# Allegro board 8880F5-0826_3.brd (continued)
## Routing (per net, layer and track width the routed paths; a pad name or vN(x,y) marks a point on that pad's centre or on a via; arc(x,y) is an arc through that point) (continued)
S2_ISP00+: length 59.2
  TOP w0.086: v1(355.08,245.88) 354.62,246.33 350.29,246.33 349.31,247.31 344.06,247.31 343.98,247.23 SITE2.73
  L30_SIGNAL w0.071: v1(355.08,245.88) 355.08,246.28 355.15,246.35 376.83,246.35 379.98,249.5 379.98,256.79 384.2,261 386.22,261 386.29,260.93 v1(386.29,259.59)
  BOTTOM w0.119: v1(386.29,259.59) UNK2K43.7
S2_ISP00-: length 59.2
  TOP w0.086: v1(355.08,247.02) 354.62,246.57 350.39,246.57 349.41,247.55 344.06,247.55 343.98,247.63 SITE2.74
  L30_SIGNAL w0.071: v1(386.29,262.63) 386.29,261.29 386.2,261.2 384.11,261.2 379.78,256.87 379.78,249.58 376.74,246.55 355.15,246.55 355.08,246.62 v1(355.08,247.02)
  BOTTOM w0.119: v1(386.29,262.63) UNK2K43.2
S2_ISP14+: length 222.7
  TOP w0.086: SITE2.112 330.23,257.78 330.15,257.86 330.15,266.59 331.48,267.92 331.48,269.45 v1(331.93,269.9)
  L32_SIGNAL w0.071: v1(331.93,269.9) 331.53,269.9 331.46,269.83 331.46,268.29 329.62,266.45 329.62,264.26 328.15,262.79 327.22,262.79 326.13,263.88 326.13,265.03 325.31,265.86 324.09,265.86 323.07,266.88 323.07,277.95 336.51,291.4 352.68,291.4 359.82,298.54 414.84,298.54 429.83,283.56 429.83,271.76 419.08,261.01 390.76,261.01 390.69,260.94 v1(390.69,257.11)
S2_ISP14-: length 221.1
  TOP w0.086: v1(330.79,269.9) 331.24,269.45 331.24,268.02 329.91,266.69 329.91,257.86 329.83,257.78 SITE2.113
  L32_SIGNAL w0.071: v1(390.69,265.11) 390.69,261.28 390.76,261.21 418.99,261.21 429.63,271.85 429.63,283.47 414.76,298.35 359.9,298.35 352.76,291.2 336.6,291.2 323.26,277.87 323.26,266.96 324.17,266.06 325.39,266.06 326.33,265.12 326.33,263.96 327.3,262.99 328.07,262.99 329.42,264.34 329.42,266.54 331.26,268.38 331.26,269.83 331.19,269.9 v1(330.79,269.9)
S2_ISP_1LOCK:
  vias: v1(309.91,245.39)
S2_M_DPS_F_001: length 45.2
  TOP w0.231: SITE2.104 333.43,263.21 ; 340.57,230.37 338.54,230.37 337.43,231.49 SITE2.39 ; 346.49,243.63 SITE2.64 ; SITE2.147 313.7,247.63 313.24,247.18 ; 330.63,230.54 SITE2.22
  TOP w0.381: v1(334.61,264.54) 334.61,264.39 333.43,263.21
  TOP w0.508: 330.63,230.54 330.38,230.28 330.38,229.17 330.17,228.96 v1(330.17,225.75) ; v1(311.44,246.66) 312.72,246.66 313.24,247.18 ; 340.57,230.37 343.63,227.31 v1(343.63,225.75) ; v1(351.22,242.64) 348.48,242.64 347.49,243.63 346.49,243.63
  vias: v1(309.4,246.66) v1(330.17,223.71) v1(334.61,266.58) v1(343.63,223.71) v1(353.27,242.64) v1(485.35,295.27) v1(485.35,293.37)
S2_PS9G_DCH001: length 3.7
  TOP w0.231: v1(329.63,229.63) 329.03,230.23 SITE2.18
S2_PS9G_DCH002: length 2.2
  TOP w0.231: SITE2.19 329.43,231.23 v1(329.63,231.03)
S2_PS9G_DCH003: length 2.2
  TOP w0.231: SITE2.24 331.43,231.23 v1(331.23,231.03)
S2_PS9G_DCH004: length 2.2
  TOP w0.231: v1(337.63,235.23) 337.83,235.03 SITE2.40
S2_PS9G_DCH005: length 2.2
  TOP w0.231: SITE2.45 344.23,236.03 v1(344.43,235.83)
S2_PS9G_DCH006: length 3.7
  TOP w0.231: v1(345.83,235.83) 345.23,236.43 SITE2.46
S2_PS9G_DCH007: length 5.3
  TOP w0.231: v1(347.22,235.83) 346.22,236.83 SITE2.47
S2_PS9G_DCH009: length 2.2
  TOP w0.231: v1(344.43,237.43) 344.23,237.63 SITE2.49
S2_PS9G_DCH010: length 3.7
  TOP w0.231: SITE2.50 345.23,238.03 v1(345.83,237.43)
S2_PS9G_DCH011: length 5.3
  TOP w0.231: v1(347.22,237.43) 346.22,238.43 SITE2.51
S2_PS9G_DCH014: length 3.7
  TOP w0.231: v1(345.83,239.03) 345.23,239.63 SITE2.54
S2_PS9G_DCH015: length 5.3
  TOP w0.231: v1(347.22,239.03) 346.22,240.03 SITE2.55
S2_PS9G_DCH022: length 5.3
  TOP w0.231: v1(347.22,245.03) 347.05,245.03 346.05,244.03 SITE2.65
S2_PS9G_DCH023: length 2.5
  TOP w0.231: v1(344.43,245.03) 344.43,244.83 344.03,244.43 SITE2.66
S2_PS9G_DCH027: length 3.9
  TOP w0.231: v1(345.83,245.03) 344.83,246.03 SITE2.70
S2_PS9G_DCH028: length 2.3
  TOP w0.231: v1(340.23,248.46) 340.6,248.83 SITE2.77
S2_PS9G_DCH029: length 2.2
  TOP w0.119: SITE2.118 v1(327.83,253.92)
S2_PS9G_DCH030: length 9.2
  TOP w0.231: SITE2.148 317.62,247.23 317.3,246.91 314.16,246.91 312.63,245.39 v1(310.91,245.39)
S2_PS9G_DCH035: length 5.3
  TOP w0.231: v1(314.43,246.23) 315.44,245.23 SITE2.153
S2_PS9G_DCH036: length 2.2
  TOP w0.231: SITE2.154 321.23,244.83 v1(321.43,245.03)
S2_PS9G_DCH037: length 2.2
  TOP w0.231: v1(317.23,244.63) 317.43,244.43 SITE2.155
S2_PS9G_DCH038: length 3.7
  TOP w0.231: SITE2.156 316.43,244.03 v1(315.83,244.63)
S2_PS9G_DCH039: length 5.3
  TOP w0.231: SITE2.157 315.44,243.63 v1(314.43,244.63)
S2_PS9G_DCH040: length 2.2
  TOP w0.231: SITE2.158 321.23,243.23 v1(321.43,243.43)
S2_RLY_001:
  vias: v1(410.52,289.12) v1(410.52,273.37)
S2_RLY_003:
  vias: v1(369.63,273.11) v1(396.55,241.11)
S2_RLY_005:
  vias: v1(396.55,273.11) v1(396.55,257.37)
S2_RLY_007:
  vias: v1(383.09,273.11)
S2_RLY_008:
  vias: v1(383.09,289.12) v1(410.27,257.37)
S2_RLY_016:
  vias: v1(369.38,257.11) v1(369.63,289.12)
S2_RLY_018:
  vias: v1(312.25,276.97)
S2_RLY_021:
  vias: v1(369.38,241.11) v1(396.55,289.12)
S2_RLY_022:
  vias: v1(369.38,224.6) v1(383.09,241.11)
S2_RLY_023:
  vias: v1(383.09,224.85)
S2_RLY_025:
  vias: v1(376.23,209.11) v1(396.55,225.11)
S2_RLY_026:
  vias: v1(389.7,209.36)
S2_RLY_030:
  vias: v1(410.52,241.11)
S2_RLY_043:
  vias: v1(383.09,257.11)
S2_SCAN_DCH008: length 2.2
  TOP w0.231: SITE2.48 340.43,237.23 v1(340.23,237.03)
S2_SCAN_DCH012: length 2.2
  TOP w0.231: SITE2.52 340.43,238.83 v1(340.23,238.63)
S2_SCAN_DCH013: length 2.2
  TOP w0.231: SITE2.53 344.23,239.23 v1(344.43,239.03)
S2_SCAN_DCH016: length 2.2
  TOP w0.231: SITE2.56 340.43,240.43 v1(340.23,240.23)
S2_SCAN_DCH017: length 2.2
  TOP w0.231: v1(344.43,240.63) 344.23,240.83 SITE2.57
S2_SCAN_DCH018: length 3.7
  TOP w0.231: v1(345.83,240.63) 345.23,241.23 SITE2.58
S2_SCAN_DCH019: length 5.3
  TOP w0.231: v1(347.22,240.63) 346.22,241.63 SITE2.59
S2_SCAN_DCH020: length 2.2
  TOP w0.231: SITE2.60 340.43,242.03 v1(340.23,241.83)
S2_SCAN_DCH021: length 2.2
  TOP w0.231: SITE2.61 344.23,242.43 v1(344.43,242.23)
S2_SCAN_DCH024: length 2.2
  TOP w0.231: v1(340.23,244.63) 340.43,244.83 SITE2.67
S2_SCAN_DCH025: length 3.7
  TOP w0.231: SITE2.68 339.43,245.23 v1(338.83,244.63)
S2_SCAN_DCH026: length 5.3
  TOP w0.231: v1(337.44,244.63) 338.44,245.63 SITE2.69
S2_SCAN_DCH031: length 3.7
  TOP w0.231: v1(322.83,247.43) 322.23,246.83 SITE2.149
S2_SCAN_DCH032: length 5.3
  TOP w0.231: v1(324.22,247.43) 323.22,246.43 SITE2.150
S2_SCAN_DCH033: length 2.2
  TOP w0.231: v1(317.23,246.23) 317.43,246.03 SITE2.151
S2_SCAN_DCH034: length 3.7
  TOP w0.231: v1(315.83,246.23) 316.43,245.63 SITE2.152
S2_SPI_1_CSN:
  vias: v1(474.99,230.78)
S2_SPI_1_SCK:
  vias: v1(480.07,218.59)
S2_SPI_1_SDI:
  vias: v1(456.19,217.17)
S2_SPI_1_SDO:
  vias: v1(455.94,209.55)
S2_SPI_2_CSN:
  vias: v1(475.87,217.23)
S2_SPI_2_SCK:
  vias: v1(479.97,204.98)
S2_SPI_2_SDI:
  vias: v1(451.62,217.17)
S2_SPI_2_SDO:
  vias: v1(451.87,209.55)
S2_SPI_11_SDI:
  vias: v1(457.19,217.17) v1(477.53,230.78)
S2_SPI_11_SDO:
  vias: v1(456.94,209.55) v1(482.61,218.59)
S2_SPI_22_SDI:
  vias: v1(452.62,217.17) v1(477.43,217.17)
S2_SPI_22_SDO:
  vias: v1(452.87,209.55) v1(482.51,204.98)
S2_SPI_CSN: length 2.2
  TOP w0.231: v1(339.23,231.03) 339.03,231.23 SITE2.43
S2_SPI_SCK: length 2.2
  TOP w0.231: v1(338.83,235.23) 338.63,235.03 SITE2.42
S2_SPI_SDI: length 3.7
  TOP w0.231: SITE2.44 339.43,236.03 v1(338.83,236.63)
S2_SPI_SDO: length 3.7
  TOP w0.231: v1(337.63,236.63) 338.23,236.03 SITE2.41
S2_XTAL_IN: length 2.5
  TOP w0.119: v1(331.63,258.51) 331.43,258.31 SITE2.109
S2_XTAL_OUT: length 3.7
  TOP w0.231: v1(331.63,259.63) 331.03,259.03 SITE2.110
S3_1AUX+:
  vias: v1(221.73,169.11)
S3_1AUX-:
  vias: v1(218.45,169.11)
S3_1TX_100DCH001+: length 178.1
  L32_SIGNAL w0.071: v1(276.97,144.59) 276.57,144.59 276.5,144.66 276.5,145.83 275.44,146.88 275.44,150.12 270.84,154.73 256.6,154.73 254.82,156.51 249.6,156.51 248.05,154.96 221.42,154.96 209.08,142.62 178.58,142.62 174.33,146.88 174.33,148.73 176.56,150.96 184.88,150.96 186.29,152.37 186.29,157.99 195.26,166.96 195.26,177.68 193.88,179.06 192.29,179.06 190.38,180.97 188.92,180.97 188.37,180.42 188.37,176.73 188.3,176.66 v1(186.95,176.66)
  BOTTOM w0.119: v1(186.95,176.66) UNK3K43.6
S3_1TX_100DCH001-: length 177.5
  L32_SIGNAL w0.071: v1(275.82,144.59) 276.23,144.59 276.3,144.66 276.3,145.75 275.24,146.8 275.24,150.04 270.76,154.53 256.52,154.53 254.73,156.31 249.68,156.31 248.13,154.76 221.5,154.76 209.16,142.43 178.5,142.43 174.13,146.79 174.13,148.81 176.48,151.16 184.8,151.16 186.09,152.46 186.09,158.07 195.06,167.04 195.06,177.59 193.8,178.86 192.21,178.86 190.3,180.77 189,180.77 188.57,180.34 188.57,176.73 188.64,176.66 v1(189.99,176.66)
  BOTTOM w0.119: v1(189.99,176.66) UNK3K43.3
S3_1TX_100DCH002+: length 53.6
  TOP w0.086: SITE3.75 263.98,188.03 264.06,188.11 277.07,188.11 v1(277.52,187.66)
  L28_SIGNAL w0.071: v1(276.97,158.18) 276.57,158.18 276.5,158.11 276.5,156.95 276.85,156.6 278.9,156.6 279.82,157.51 279.82,187.02 278.7,188.13 277.59,188.13 277.52,188.06 v1(277.52,187.66)
S3_1TX_100DCH002-: length 54.6
  TOP w0.086: v1(277.52,188.8) 277.07,188.35 264.06,188.35 263.98,188.43 SITE3.76
  L28_SIGNAL w0.071: v1(275.82,158.18) 276.23,158.18 276.3,158.11 276.3,156.87 276.77,156.4 278.98,156.4 280.01,157.43 280.01,187.1 278.79,188.33 277.59,188.33 277.52,188.4 v1(277.52,188.8)
S3_1TX_100DCH003+: length 110.1
  TOP w0.086: v1(275.08,190.14) 274.62,190.59 269.94,190.59 269.05,189.71 264.06,189.71 263.98,189.63 SITE3.79
  L32_SIGNAL w0.071: v1(250.81,129.35) 250.4,129.35 250.33,129.28 250.33,127.41 250.78,126.96 251.6,126.96 252.76,128.12 252.76,132.75 258.75,138.74 275.06,138.74 278.75,142.43 278.75,155.63 283.02,159.91 283.02,187.75 280.15,190.61 275.15,190.61 275.08,190.54 v1(275.08,190.14)
S3_1TX_100DCH003-: length 111.1
  TOP w0.086: SITE3.80 263.98,190.03 264.06,189.95 268.95,189.95 269.84,190.83 274.62,190.83 v1(275.08,191.28)
  L32_SIGNAL w0.071: v1(249.66,129.35) 250.06,129.35 250.14,129.28 250.14,127.33 250.7,126.76 251.68,126.76 252.96,128.04 252.96,132.67 258.83,138.54 275.14,138.54 278.94,142.35 278.94,155.55 283.22,159.83 283.22,187.83 280.24,190.81 275.15,190.81 275.08,190.88 v1(275.08,191.28)
S3_1TX_100DCH004+: length 94.4
  TOP w0.086: v1(277.52,192.08) 277.07,192.53 270.02,192.53 267.99,190.51 264.06,190.51 263.98,190.43 SITE3.81
  L28_SIGNAL w0.071: v1(250.81,142.94) 250.4,142.94 250.33,142.87 250.33,141.55 250.63,141.25 254.15,141.25 266.36,153.47 277.64,153.47 281.75,157.58 281.75,189.74 278.94,192.55 277.59,192.55 277.52,192.48 v1(277.52,192.08)
S3_1TX_100DCH004-: length 95.4
  TOP w0.086: v1(277.52,193.22) 277.07,192.77 269.92,192.77 267.9,190.75 264.06,190.75 263.98,190.83 SITE3.82
  L28_SIGNAL w0.071: v1(277.52,193.22) 277.52,192.82 277.59,192.75 279.02,192.75 281.95,189.82 281.95,157.5 277.72,153.27 266.45,153.27 254.23,141.05 250.55,141.05 250.14,141.46 250.14,142.87 250.06,142.94 v1(249.66,142.94)
S3_1TX_100DCH005+: length 103.6
  TOP w0.086: v1(275.08,193.77) 274.62,194.22 269.53,194.22 266.61,191.31 264.06,191.31 263.98,191.23 SITE3.83
  L32_SIGNAL w0.071: v1(263.76,132.4) 263.36,132.4 263.29,132.33 263.29,130.83 264.48,129.64 272.9,129.64 281.71,138.45 281.71,156.38 284.5,159.17 284.5,190.89 281.15,194.24 275.15,194.24 275.08,194.17 v1(275.08,193.77)
S3_1TX_100DCH005-: length 104.6
  TOP w0.086: v1(275.08,194.92) 274.62,194.46 269.43,194.46 266.51,191.55 264.06,191.55 263.98,191.63 SITE3.84
  L32_SIGNAL w0.071: v1(262.62,132.4) 263.02,132.4 263.09,132.33 263.09,130.75 264.4,129.44 272.98,129.44 281.91,138.37 281.91,156.29 284.7,159.09 284.7,190.97 281.23,194.44 275.15,194.44 275.08,194.51 v1(275.08,194.92)
S3_1TX_100DCH006+: length 88.8
  TOP w0.086: v1(277.52,196.03) 277.07,196.49 270.12,196.49 265.74,192.11 264.06,192.11 263.98,192.03 SITE3.85
  L28_SIGNAL w0.071: v1(277.52,196.03) 277.52,196.44 277.59,196.51 281.04,196.51 283.41,194.14 283.41,157.47 281.58,155.63 281.58,154.88 271.19,144.5 263.64,144.5 263.29,144.85 263.29,145.91 263.36,145.99 v1(263.76,145.99)
S3_1TX_100DCH006-: length 89.8
  TOP w0.086: v1(277.52,197.18) 277.07,196.73 270.02,196.73 265.64,192.35 264.06,192.35 263.98,192.43 SITE3.86
  L28_SIGNAL w0.071: v1(262.62,145.99) 263.02,145.99 263.09,145.91 263.09,144.77 263.56,144.3 271.28,144.3 281.78,154.8 281.78,155.55 283.61,157.39 283.61,194.22 281.13,196.7 277.59,196.7 277.52,196.78 v1(277.52,197.18)
S3_1TX_100DCH007+: length 135.6
  TOP w0.086: v1(275.08,198.17) 274.62,198.62 270.67,198.62 264.96,192.91 264.06,192.91 263.98,192.83 SITE3.87
  L32_SIGNAL w0.071: v1(178.5,176.13) 178.5,175.73 178.43,175.66 177.07,175.66 176.67,176.06 176.67,178.84 181.82,183.99 188.92,183.99 192.03,180.88 218.95,180.88 220.1,182.03 220.1,191.38 221.11,192.39 225.95,192.39 229.5,195.94 255.41,195.94 258.12,198.64 275.01,198.64 275.08,198.57 v1(275.08,198.17)
S3_1TX_100DCH007-: length 136.3
  TOP w0.086: SITE3.88 263.98,193.23 264.06,193.15 264.86,193.15 270.57,198.86 274.62,198.86 v1(275.08,199.31)
  L32_SIGNAL w0.071: v1(178.5,174.99) 178.5,175.39 178.43,175.46 176.99,175.46 176.47,175.98 176.47,178.92 181.74,184.19 189,184.19 192.11,181.08 218.87,181.08 219.91,182.11 219.91,191.46 221.03,192.59 225.87,192.59 229.42,196.14 255.33,196.14 258.03,198.84 275.01,198.84 275.08,198.91 v1(275.08,199.31)
S3_2AUX+:
  vias: v1(192.78,132.33) v1(192.78,131.06) v1(220.73,169.11) v1(220.73,167.84)
S3_2AUX-:
  vias: v1(189.24,131.06) v1(190.24,132.33) v1(219.45,169.11) v1(219.45,167.84)
S3_2TX_100DCH001+: length 143.3
  TOP w0.086: v1(266.32,208.6) 265.87,208.15 265.87,205.63 265.31,205.07 265.31,202.18 263.95,200.83 261.74,200.83 259.35,198.44 259.35,197.86 259.43,197.78 SITE3.89
  L30_SIGNAL w0.071: v1(164.91,176.13) 164.91,175.73 164.84,175.66 162.96,175.66 161.82,176.8 161.82,181.41 165.4,184.99 211.35,184.99 215.11,188.76 223.1,188.76 223.96,187.89 226.58,187.89 229.16,190.47 231.15,190.47 236.46,195.78 255.64,195.78 265.85,205.99 265.85,208.53 265.92,208.6 v1(266.32,208.6)
S3_2TX_100DCH001-: length 143.6
  TOP w0.086: v1(265.18,208.6) 265.63,208.15 265.63,205.73 265.07,205.17 265.07,202.28 263.85,201.07 261.64,201.07 259.11,198.54 259.11,197.86 259.03,197.78 SITE3.90
  L30_SIGNAL w0.071: v1(164.91,174.99) 164.91,175.39 164.84,175.46 162.88,175.46 161.62,176.72 161.62,181.49 165.32,185.19 211.26,185.19 215.03,188.96 223.18,188.96 224.05,188.09 226.5,188.09 229.07,190.67 231.07,190.67 236.38,195.98 255.55,195.98 265.65,206.07 265.65,208.53 265.58,208.6 v1(265.18,208.6)
S3_2TX_100DCH002+: length 92.9
  TOP w0.086: SITE3.91 258.63,197.78 258.55,197.86 258.55,199 261.27,201.72 263.16,201.72 264.22,202.77 264.22,205.88 v1(264.67,206.34)
  L32_SIGNAL w0.071: v1(195.26,217.02) 195.26,216.62 195.33,216.55 196.05,216.55 196.78,217.28 196.78,217.97 198.49,219.68 236.85,219.68 242.42,214.11 257.88,214.11 259.83,212.16 261.75,212.16 264.2,209.71 264.2,206.41 264.27,206.34 v1(264.67,206.34)
S3_2TX_100DCH002-: length 92.6
  TOP w0.086: v1(263.52,206.34) 263.98,205.88 263.98,202.87 263.07,201.96 261.17,201.96 258.31,199.1 258.31,197.86 258.23,197.78 SITE3.92
  L32_SIGNAL w0.071: v1(263.52,206.34) 263.93,206.34 264,206.41 264,209.63 261.67,211.96 259.74,211.96 257.79,213.91 242.34,213.91 236.77,219.48 198.57,219.48 196.98,217.89 196.98,217.2 196.14,216.35 195.33,216.35 195.26,216.28 v1(195.26,215.88)
S3_2TX_100DCH003+: length 128.7
  TOP w0.086: SITE3.93 257.83,197.78 257.75,197.86 257.75,199.44 262.61,204.3 262.61,208.15 v1(263.07,208.6)
  L30_SIGNAL w0.071: v1(181.67,217.02) 181.67,216.62 181.75,216.55 183.22,216.55 184.26,217.6 190.18,217.6 199.24,226.66 203.6,226.66 214.55,237.62 224.09,237.62 224.75,236.96 228.18,236.96 230.11,238.89 231.63,238.89 236.5,234.02 253.98,234.02 261.14,226.86 261.14,215.42 262.59,213.97 262.59,208.68 262.66,208.6 v1(263.07,208.6)
S3_2TX_100DCH003-: length 128.3
  TOP w0.086: SITE3.94 257.43,197.78 257.51,197.86 257.51,199.54 262.37,204.4 262.37,208.15 v1(261.92,208.6)
  L30_SIGNAL w0.071: v1(181.67,215.88) 181.67,216.28 181.75,216.35 183.3,216.35 184.34,217.4 190.26,217.4 199.33,226.47 203.68,226.47 214.63,237.42 224.01,237.42 224.67,236.76 228.26,236.76 230.2,238.7 231.54,238.7 236.41,233.82 253.9,233.82 260.94,226.78 260.94,215.34 262.39,213.89 262.39,208.68 262.32,208.6 v1(261.92,208.6)
S3_2TX_100DCH004+: length 69.8
  TOP w0.086: v1(261.36,207.09) 260.9,206.64 260.9,203.67 256.95,199.72 256.95,197.86 257.03,197.78 SITE3.95
  L32_SIGNAL w0.071: v1(212.03,217.02) 212.03,216.62 212.1,216.55 215.78,216.55 217.99,218.76 236.46,218.76 241.93,213.29 257.22,213.29 258.53,211.97 258.53,211.54 260.88,209.19 260.88,207.16 260.96,207.09 v1(261.36,207.09)
S3_2TX_100DCH004-: length 69.4
  TOP w0.086: v1(260.21,207.09) 260.67,206.64 260.67,203.77 256.71,199.82 256.71,197.86 256.63,197.78 SITE3.96
  L32_SIGNAL w0.071: v1(212.03,215.88) 212.03,216.28 212.1,216.35 215.86,216.35 218.07,218.56 236.38,218.56 241.85,213.09 257.14,213.09 258.33,211.89 258.33,211.45 260.69,209.1 260.69,207.16 260.62,207.09 v1(260.21,207.09)
S3_2TX_100DCH005+: length 105.7
  TOP w0.086: v1(258.99,208.83) 258.54,208.38 258.54,204.15 255.75,201.37 255.75,197.86 255.83,197.78 SITE3.98
  L30_SIGNAL w0.071: v1(258.99,208.83) 258.59,208.83 258.52,208.9 258.52,227.32 253.08,232.76 234.84,232.76 232.62,234.97 229.66,234.97 227.52,232.83 225.69,232.83 223.29,230.44 223.29,228.02 220.54,225.27 208.48,225.27 199.77,216.55 198.51,216.55 198.44,216.62 v1(198.44,217.02)
S3_2TX_100DCH005-: length 105.4
  TOP w0.086: SITE3.99 255.43,197.78 255.51,197.86 255.51,201.47 258.3,204.25 258.3,208.38 v1(257.84,208.83)
  L30_SIGNAL w0.071: v1(198.44,215.88) 198.44,216.28 198.51,216.35 199.85,216.35 208.57,225.07 220.62,225.07 223.49,227.94 223.49,230.35 225.77,232.63 227.6,232.63 229.74,234.78 232.54,234.78 234.75,232.56 252.99,232.56 258.32,227.24 258.32,208.9 258.25,208.83 v1(257.84,208.83)
S3_2TX_100DCH006+: length 197.1
  TOP w0.086: SITE3.100 255.03,197.78 254.95,197.86 254.95,201.59 257.04,203.68 257.04,208.51 256.65,208.9 256.65,209.99 v1(257.1,210.44)
  L30_SIGNAL w0.071: v1(195.26,203.56) 195.26,203.16 195.33,203.09 196.28,203.09 197.04,202.33 197.04,198.38 192.95,194.29 164.15,194.29 157.57,200.87 157.57,206.94 164.65,214.02 203.5,214.02 212.51,223.04 219.91,223.04 225.62,228.75 227.71,228.75 229.91,230.95 236.48,230.95 238.97,228.46 250.92,228.46 252.73,226.65 252.73,215.32 256.63,211.42 256.63,210.51 256.7,210.44 v1(257.1,210.44)
S3_2TX_100DCH006-: length 195.5
  TOP w0.086: SITE3.101 254.63,197.78 254.71,197.86 254.71,201.69 256.8,203.78 256.8,208.41 256.41,208.8 256.41,209.99 v1(255.96,210.44)
  L30_SIGNAL w0.071: v1(255.96,210.44) 256.36,210.44 256.43,210.51 256.43,211.34 252.53,215.24 252.53,226.57 250.84,228.26 238.89,228.26 236.4,230.75 229.99,230.75 227.8,228.55 225.71,228.55 219.99,222.84 212.6,222.84 203.58,213.82 164.73,213.82 157.77,206.86 157.77,200.95 164.23,194.49 192.87,194.49 196.84,198.47 196.84,202.25 196.2,202.89 195.33,202.89 195.26,202.82 v1(195.26,202.42)
S3_2TX_100DCH007+: length 102.4
  TOP w0.086: SITE3.102 254.23,197.78 254.15,197.86 254.15,201.95 255.98,203.78 255.98,208.13 254.78,209.33 v1(254.78,209.97)
  L30_SIGNAL w0.071: v1(254.78,209.97) 254.5,209.69 254.4,209.69 247.56,216.53 243.41,216.53 242.37,217.57 236.29,217.57 234.41,219.45 224.12,219.45 222.68,220.88 212.59,220.88 204.68,212.97 190.21,212.97 185.51,208.27 185.51,205.54 183.06,203.09 181.75,203.09 181.67,203.16 v1(181.67,203.56)
S3_2TX_100DCH007-: length 102
  TOP w0.086: v1(253.98,209.17) 254.61,209.17 255.74,208.03 255.74,203.88 253.91,202.05 253.91,197.86 253.83,197.78 SITE3.103
  L30_SIGNAL w0.071: v1(181.67,202.42) 181.67,202.82 181.75,202.89 183.14,202.89 185.71,205.46 185.71,208.19 190.29,212.77 204.77,212.77 212.68,220.68 222.6,220.68 224.03,219.25 234.33,219.25 236.21,217.37 242.29,217.37 243.33,216.33 247.48,216.33 254.26,209.55 254.26,209.45 v1(253.98,209.17)
S3_3TX_100DCH002+: length 96.7
  TOP w0.086: SITE3.114 249.43,197.78 249.35,197.86 249.35,207.66 v1(249.8,208.11)
  L30_SIGNAL w0.071: v1(181.67,189.59) 181.67,189.19 181.6,189.12 180.78,189.12 180.13,189.76 180.13,190.82 180.92,191.6 213.18,191.6 222.58,200.99 226.42,200.99 228.74,198.68 244.21,198.68 249.33,203.8 249.33,208.04 249.4,208.11 v1(249.8,208.11)
S3_3TX_100DCH002-: length 97.1
  TOP w0.086: v1(248.66,208.11) 249.11,207.66 249.11,197.86 249.03,197.78 SITE3.115
  L30_SIGNAL w0.071: v1(181.67,188.45) 181.67,188.85 181.6,188.92 180.69,188.92 179.94,189.68 179.94,190.9 180.83,191.8 213.1,191.8 222.5,201.19 226.51,201.19 228.82,198.88 244.13,198.88 249.13,203.88 249.13,208.04 249.06,208.11 v1(248.66,208.11)
S3_3TX_100DCH003+: length 101.6
  TOP w0.086: SITE3.116 248.63,197.78 248.55,197.86 248.55,206.82 246.96,208.41 246.96,209.45 v1(247.41,209.9)
  L30_SIGNAL w0.071: v1(178.5,203.56) 178.5,203.16 178.57,203.09 179.59,203.09 180.14,202.54 180.14,200.8 180.8,200.14 184.42,200.14 188,203.72 188,208.04 192.12,212.17 210.63,212.17 218.26,219.8 221.88,219.8 223.26,218.42 233.26,218.42 235.19,216.5 241.42,216.5 246.94,210.98 246.94,209.97 247.01,209.9 v1(247.41,209.9)
S3_3TX_100DCH003-: length 101.3
  TOP w0.086: SITE3.117 248.23,197.78 248.31,197.86 248.31,206.72 246.72,208.31 246.72,209.45 v1(246.26,209.9)
  L30_SIGNAL w0.071: v1(178.5,202.42) 178.5,202.82 178.57,202.89 179.51,202.89 179.94,202.46 179.94,200.72 180.71,199.94 184.5,199.94 188.19,203.64 188.19,207.96 192.21,211.97 210.71,211.97 218.34,219.6 221.8,219.6 223.18,218.22 233.18,218.22 235.11,216.3 241.34,216.3 246.74,210.9 246.74,209.97 246.67,209.9 v1(246.26,209.9)
S3_3TX_100DCH004+: length 108.6
  TOP w0.086: v1(245.36,207.81) 244.91,207.36 244.91,206.21 246.95,204.17 246.95,197.86 247.03,197.78 SITE3.120
  L30_SIGNAL w0.071: v1(164.91,203.56) 164.91,203.16 164.98,203.09 165.77,203.09 170.63,198.23 184.87,198.23 195.24,208.59 220.61,208.59 223.38,211.36 223.38,213.07 225.62,215.31 240.41,215.31 244.89,210.83 244.89,207.89 244.96,207.81 v1(245.36,207.81)
S3_3TX_100DCH004-: length 108.2
  TOP w0.086: v1(244.22,207.81) 244.67,207.36 244.67,206.11 246.71,204.07 246.71,197.86 246.63,197.78 SITE3.121
  L30_SIGNAL w0.071: v1(244.22,207.81) 244.62,207.81 244.69,207.89 244.69,210.75 240.33,215.11 225.7,215.11 223.58,212.99 223.58,211.28 220.69,208.39 195.32,208.39 184.95,198.03 170.55,198.03 165.69,202.89 164.98,202.89 164.91,202.82 v1(164.91,202.42)
S3_3TX_100DCH005+: length 52.9
  TOP w0.086: v1(245.11,203.69) 244.65,203.24 244.65,202.03 246.15,200.53 246.15,197.86 246.23,197.78 SITE3.122
  L32_SIGNAL w0.071: v1(245.11,203.69) 244.7,203.69 244.63,203.76 244.63,205.69 243.3,207.03 243.3,209.39 239.56,213.12 226.66,213.12 225.5,211.96 225.5,211.19 217.4,203.09 212.1,203.09 212.03,203.16 v1(212.03,203.56)
S3_3TX_100DCH005-: length 52.6
  TOP w0.086: SITE3.123 245.83,197.78 245.91,197.86 245.91,200.44 244.42,201.93 244.42,203.24 v1(243.96,203.69)
  L32_SIGNAL w0.071: v1(212.03,202.42) 212.03,202.82 212.1,202.89 217.49,202.89 225.7,211.11 225.7,211.88 226.75,212.93 239.48,212.93 243.1,209.31 243.1,206.95 244.44,205.61 244.44,203.76 244.36,203.69 v1(243.96,203.69)
S3_3TX_100DCH006+: length 67.7
  TOP w0.086: v1(242.12,207.81) 241.66,207.36 241.66,206.13 242.87,204.93 242.87,202.13 245.35,199.65 245.35,197.86 245.43,197.78 SITE3.124
  L30_SIGNAL w0.071: v1(242.12,207.81) 241.71,207.81 241.64,207.89 241.64,209.71 237.64,213.71 226.84,213.71 225.62,212.48 225.62,211.33 215.51,201.22 201.73,201.22 199.86,203.09 198.51,203.09 198.44,203.16 v1(198.44,203.56)
S3_3TX_100DCH006-: length 67.3
  TOP w0.086: v1(240.97,207.81) 241.43,207.36 241.43,206.04 242.63,204.83 242.63,202.03 245.11,199.55 245.11,197.86 245.03,197.78 SITE3.125
  L30_SIGNAL w0.071: v1(198.44,202.42) 198.44,202.82 198.51,202.89 199.78,202.89 201.65,201.02 215.59,201.02 225.82,211.25 225.82,212.4 226.92,213.51 237.56,213.51 241.45,209.62 241.45,207.89 241.37,207.81 v1(240.97,207.81)
S3_3TX_100DCH007+: length 88.1
  TOP w0.086: v1(241.53,203.69) 241.08,203.24 241.08,202.2 244.55,198.73 244.55,197.86 244.63,197.78 SITE3.126
  L32_SIGNAL w0.071: v1(178.5,189.59) 178.5,189.19 178.57,189.12 179.67,189.12 180.03,189.48 180.03,191.5 182.98,194.45 210.18,194.45 226.51,210.77 238.09,210.77 239.97,208.9 239.97,206.45 241.06,205.37 241.06,203.76 241.13,203.69 v1(241.53,203.69)
S3_3TX_100DCH007-: length 87.8
  TOP w0.086: SITE3.127 244.23,197.78 244.31,197.86 244.31,198.63 240.84,202.1 240.84,203.24 v1(240.39,203.69)
  L32_SIGNAL w0.071: v1(240.39,203.69) 240.79,203.69 240.86,203.76 240.86,205.28 239.77,206.37 239.77,208.81 238.01,210.58 226.59,210.58 210.27,194.25 183.06,194.25 180.23,191.42 180.23,189.4 179.75,188.92 178.57,188.92 178.5,188.85 v1(178.5,188.45)
S3_4TX_100DCH001+: length 98.9
  TOP w0.086: v1(238.79,207.81) 238.34,207.36 238.34,206.89 239.3,205.93 239.3,202.62 243.35,198.57 243.35,197.86 243.43,197.78 SITE3.129
  L30_SIGNAL w0.071: v1(238.79,207.81) 238.39,207.81 238.32,207.89 238.32,209.36 237.42,210.25 227.59,210.25 210.02,192.69 170.05,192.69 166.48,189.12 164.98,189.12 164.91,189.19 v1(164.91,189.59)
S3_4TX_100DCH001-: length 98.6
  TOP w0.086: SITE3.130 243.03,197.78 243.11,197.86 243.11,198.47 239.06,202.52 239.06,205.83 238.1,206.79 238.1,207.36 v1(237.64,207.81)
  L30_SIGNAL w0.071: v1(237.64,207.81) 238.05,207.81 238.12,207.89 238.12,209.28 237.34,210.06 227.67,210.06 210.1,192.49 170.13,192.49 166.56,188.92 164.98,188.92 164.91,188.85 v1(164.91,188.45)
S3_4TX_100DCH002+: length 53
  TOP w0.086: v1(237.56,205.42) 237.11,204.97 237.11,203.7 242.55,198.26 242.55,197.86 242.63,197.78 SITE3.131
  L32_SIGNAL w0.071: v1(212.03,189.59) 212.03,189.19 212.1,189.12 213.46,189.12 214,189.66 214,196.3 227.67,209.97 234.03,209.97 237.09,206.92 237.09,205.49 237.16,205.42 v1(237.56,205.42)
S3_4TX_100DCH002-: length 52.7
  TOP w0.086: v1(236.42,205.42) 236.87,204.97 236.87,203.6 242.31,198.16 242.31,197.86 242.23,197.78 SITE3.132
  L32_SIGNAL w0.071: v1(236.42,205.42) 236.82,205.42 236.89,205.49 236.89,206.84 233.95,209.78 227.75,209.78 214.19,196.22 214.19,189.57 213.54,188.92 212.1,188.92 212.03,188.85 v1(212.03,188.45)
S3_4TX_100DCH003+: length 48.7
  TOP w0.086: SITE3.133 237.68,193.23 237.6,193.15 237.23,193.15 231.06,199.32 226.27,199.32 v1(225.81,199.77)
  L28_SIGNAL w0.071: v1(225.81,199.77) 225.81,199.37 225.74,199.3 209.6,199.3 199.42,189.12 198.51,189.12 198.44,189.19 v1(198.44,189.59)
S3_4TX_100DCH003-: length 48.7
  TOP w0.086: SITE3.134 237.68,192.83 237.6,192.91 237.13,192.91 230.96,199.08 226.27,199.08 v1(225.81,198.63)
  L28_SIGNAL w0.071: v1(225.81,198.63) 225.81,199.03 225.74,199.1 209.68,199.1 199.5,188.92 198.51,188.92 198.44,188.85 v1(198.44,188.45)
S3_4TX_100DCH004+: length 131.3
  TOP w0.086: SITE3.135 237.68,192.43 237.6,192.35 236.53,192.35 231.68,197.2 229.02,197.2 v1(228.57,197.65)
  L32_SIGNAL w0.071: v1(228.57,197.65) 228.57,197.25 228.49,197.18 219.52,197.18 215.96,193.62 215.96,188.71 213.54,186.29 169.49,186.29 162.66,179.46 162.66,160.47 164.35,158.78 178.9,158.78 180.18,160.06 180.18,161.78 179.77,162.2 178.57,162.2 178.5,162.27 v1(178.5,162.67)
S3_4TX_100DCH004-: length 130
  TOP w0.086: SITE3.136 237.68,192.03 237.6,192.11 236.43,192.11 231.58,196.96 229.02,196.96 v1(228.57,196.51)
  L32_SIGNAL w0.071: v1(228.57,196.51) 228.57,196.91 228.49,196.98 219.6,196.98 216.16,193.54 216.16,188.63 213.62,186.09 169.58,186.09 162.85,179.37 162.85,160.56 164.43,158.98 178.82,158.98 179.98,160.15 179.98,161.7 179.69,162 178.57,162 178.5,161.93 v1(178.5,161.52)
S3_4TX_100DCH005+: length 102.2
  TOP w0.086: SITE3.137 237.68,191.63 237.6,191.55 236.17,191.55 232.64,195.08 226.27,195.08 v1(225.81,195.53)
  L32_SIGNAL w0.071: v1(164.91,162.67) 164.91,162.27 164.98,162.2 166.1,162.2 166.52,162.61 166.52,177.87 173.85,185.2 214.23,185.2 216.81,187.79 216.81,192.32 219.55,195.06 225.74,195.06 225.81,195.13 v1(225.81,195.53)
S3_4TX_100DCH005-: length 102.2
  TOP w0.086: v1(225.81,194.39) 226.27,194.84 232.55,194.84 236.07,191.31 237.6,191.31 237.68,191.23 SITE3.138
  L32_SIGNAL w0.071: v1(164.91,161.52) 164.91,161.93 164.98,162 166.18,162 166.71,162.53 166.71,177.79 173.93,185 214.31,185 217.01,187.7 217.01,192.24 219.63,194.86 225.74,194.86 225.81,194.79 v1(225.81,194.39)
S3_4TX_100DCH006+: length 98.8
  TOP w0.086: v1(228.57,192.73) 229.02,192.28 232.03,192.28 233.96,190.35 237.6,190.35 237.68,190.43 SITE3.140
  L32_SIGNAL w0.071: v1(228.57,192.73) 228.57,192.33 228.49,192.26 227.53,192.26 226.92,191.65 226.92,184.24 224,181.32 224,161.58 213.47,151.06 190.21,151.06 185.87,146.71 180.55,146.71 180.19,147.08 180.19,148.03 179.74,148.48 178.57,148.48 178.5,148.55 v1(178.5,148.95)
S3_4TX_100DCH006-: length 98.8
  TOP w0.086: v1(228.57,191.59) 229.02,192.04 231.93,192.04 233.86,190.11 237.6,190.11 237.68,190.03 SITE3.141
  L32_SIGNAL w0.071: v1(178.5,147.81) 178.5,148.21 178.57,148.28 179.65,148.28 179.99,147.95 179.99,146.99 180.47,146.51 185.95,146.51 190.3,150.86 213.55,150.86 224.19,161.5 224.19,181.24 227.12,184.16 227.12,191.57 227.61,192.06 228.49,192.06 228.57,191.99 v1(228.57,191.59)
S3_4TX_100DCH007+: length 133
  TOP w0.086: v1(225.81,190.64) 226.27,190.19 232.4,190.19 233.04,189.55 237.6,189.55 237.68,189.63 SITE3.142
  L28_SIGNAL w0.071: v1(225.81,190.64) 225.81,190.24 225.89,190.16 226.48,190.16 226.79,190.47 226.79,200.15 225.71,201.23 184.74,201.23 161.44,177.93 161.44,150.23 163.19,148.48 164.84,148.48 164.91,148.55 v1(164.91,148.95)
S3_4TX_100DCH007-: length 134.3
  TOP w0.086: v1(225.81,189.49) 226.27,189.95 232.3,189.95 232.94,189.31 237.6,189.31 237.68,189.23 SITE3.143
  L28_SIGNAL w0.071: v1(225.81,189.49) 225.81,189.9 225.89,189.97 226.56,189.97 226.98,190.39 226.98,200.23 225.79,201.43 184.66,201.43 161.24,178.01 161.24,150.14 163.11,148.28 164.84,148.28 164.91,148.21 v1(164.91,147.81)
S3_AUX_100DCH002+:
  vias: v1(191.78,132.33)
S3_AUX_100DCH002-:
  vias: v1(189.24,132.33)
S3_AUXCH+: length 3.6
  TOP w0.203: SITE3.21 250.23,176.2 v2(250.6,176.57)
S3_AUXCH-: length 3.6
  TOP w0.203: SITE3.20 249.83,176.2 v2(249.46,176.57)
S3_AVDD11_RX: length 8.4
  TOP w0.231: SITE3.31 254.23,168.29 254.67,167.85
  TOP w0.508: v1(256.77,165.75) 254.67,167.85
  vias: v1(118.32,276.23) v1(118.32,274.32) v1(256.77,163.71)
S3_AVDD11_XTAL: length 8.8
  TOP w0.231: 252.87,201.45 252.87,201.11 253.03,200.95 SITE3.105
  TOP w0.381: 252.87,201.45 252.87,203.59 253.72,204.45 v1(253.72,204.54)
  vias: v1(93.77,276.23) v1(93.77,274.32) v1(253.72,206.58)
S3_AVDD18_RX: length 7.7
  TOP w0.231: 251.28,170.01 251.83,170.56 SITE3.25
  TOP w0.508: v1(251.06,165.75) 251.06,168.68 251.28,168.9 251.28,170.01
  vias: v1(128.06,276.23) v1(128.06,274.32) v1(251.06,163.71)
S3_DCH041: length 2.2
  TOP w0.231: v1(237.23,183.03) 237.43,182.83 SITE3.159
S3_DCH042: length 3.7
  TOP w0.231: SITE3.160 236.43,182.43 v1(235.83,183.03)
S3_DCH043: length 5.3
  TOP w0.231: v1(234.44,183.03) 235.44,182.03 SITE3.161
S3_DCH044: length 2.2
  TOP w0.231: SITE3.163 237.43,181.23 v1(237.23,181.03)
S3_DCH045: length 5.4
  TOP w0.231: SITE3.164 243.35,180.83 v1(244.35,179.83)
S3_DCH046: length 3.9
  TOP w0.231: v1(242.95,179.83) 242.35,180.43 SITE3.165
S3_DCH047: length 2.3
  TOP w0.231: SITE3.166 241.36,180.03 v1(241.56,179.83)
S3_DCH048:
  vias: v1(229.05,216.97)
S3_DCH049:
  vias: v1(229.05,211.67)
S3_DPS_F_001:
  vias: v1(112.05,249.13) v1(112.05,247.23) v1(190.24,131.06) v1(221.73,167.84)
S3_DPS_F_002: length 10.1
  TOP w0.231: SITE3.3 243.03,170.86 241.72,169.55 240.65,169.55
  TOP w0.508: 240.65,169.55 237.98,166.88 v1(237.98,165.75)
  vias: v1(111.55,292.74) v1(111.55,290.83) v1(236.32,162.9) v1(237.98,163.71)
S3_DPS_F_003: length 63.1
  TOP w0.231: SITE3.107 252.23,200.11 251.69,200.65 251.69,201.16 ; 267.84,185.53 266.94,186.43 SITE3.71 ; 232.83,188.18 233.08,188.43 SITE3.145 ; 265.2,182.93 264.9,183.23 SITE3.63 ; 234.63,181.63 SITE3.162 ; SITE3.17 248.63,169.5 249.28,168.85 ; 259.73,169.66 258.57,169.66 256.63,171.59 SITE3.37
  TOP w0.381: 251.69,201.16 251.69,204.28 v1(251.94,204.54)
  TOP w0.508: v1(262.36,165.75) 262.36,167.02 259.73,169.66 ; 267.84,185.53 269.46,183.91 v1(271.22,183.91) ; v1(249.28,165.75) 249.28,168.85 ; 234.63,181.63 234.37,181.63 232.59,183.41 v1(231.44,183.41) ; v1(271.22,181.37) 268.11,181.37 266.8,182.68 265.45,182.68 265.2,182.93 ; 232.83,188.18 232.58,187.93 v1(231.44,187.93)
  vias: v1(101.81,292.74) v1(101.81,290.83) v1(114.55,186.44) v1(229.4,187.93) v1(229.4,183.41) v1(249.28,163.71) v1(251.54,192.61) v1(251.94,206.58) v1(262.36,163.71) v1(273.27,183.91) v1(273.27,181.37)
S3_DPS_F_006: length 9.6
  TOP w0.231: SITE3.72 267.92,186.83 268.55,186.19
  TOP w0.508: v1(271.22,185.18) 269.56,185.18 268.55,186.19
  vias: v1(75.99,276.23) v1(75.99,274.32) v1(259,186.67) v1(273.27,185.18)
S3_DPS_F_007: length 19
  TOP w0.231: SITE3.97 256.23,200.71 259.65,204.13 v1(259.65,204.54) ; SITE3.78 264.15,189.23 264.37,189.01
  TOP w0.508: v1(271.22,189.5) 270.8,189.5 270.31,189.01 264.37,189.01
  vias: v1(75.99,292.74) v1(75.99,290.83) v1(259.65,206.58) v1(273.27,189.5)
S3_DPS_F_009: length 8.8
  TOP w0.231: 252.26,201.12 252.26,200.9 252.63,200.53 SITE3.106
  TOP w0.381: v1(252.83,204.54) 252.83,204.39 252.26,203.82 252.26,201.12
  vias: v1(93.77,292.74) v1(93.77,290.83) v1(252.83,206.58) v1(253.61,207.66)
S3_DPS_F_010: length 8.6
  TOP w0.231: 251.05,201.13 251.05,200.57 250.63,200.15 SITE3.111
  TOP w0.381: 251.05,201.13 v1(251.05,204.54)
  vias: v1(84.03,292.74) v1(84.03,290.83) v1(250.34,193.59) v1(251.05,206.58)
S3_DPS_F_011: length 17.6
  TOP w0.231: SITE3.139 234.87,190.83 232.01,193.69 v1(231.44,193.69) ; SITE3.119 247.43,197.79 247.64,198.01
  TOP w0.508: v1(247.57,204.54) 247.64,204.47 247.64,198.01
  vias: v1(66.25,292.74) v1(66.25,290.83) v1(229.4,193.69) v1(247.57,206.58)
S3_DPS_F_012: length 8
  TOP w0.231: 232.2,188.83 SITE3.144
  TOP w0.508: v1(231.44,189.2) 231.81,188.83 232.2,188.83
  vias: v1(66.25,276.23) v1(66.25,274.32) v1(229.4,189.2)
S3_DPS_F_013:
  vias: v1(89.78,163.72) v1(90.02,177.49) v1(96.27,171.81) v1(96.37,185.42) v1(97.53,197.36) v1(97.53,189.74) v1(98.81,171.81) v1(98.91,185.42) v1(101.35,171.81) v1(101.35,159.62) v1(101.45,185.42) v1(101.45,173.22) v1(103.89,159.62) v1(104.89,171.81) v1(104.99,185.42) v1(105.01,173.17) v1(107.18,249.19) v1(107.18,247.28) v1(122.38,197.41) v1(127.01,189.74) v1(127.01,182.12)
S3_ISP00+: length 125.7
  TOP w0.086: v1(275.08,185.88) 274.62,186.33 270.29,186.33 269.31,187.31 264.06,187.31 263.98,187.23 SITE3.73
  L30_SIGNAL w0.071: v1(186.95,178.86) 188.3,178.86 188.37,178.79 188.37,172.94 190.06,171.25 202.11,171.25 211.64,180.78 227.66,180.78 229.55,178.9 237.49,178.9 239.16,180.57 239.16,187.53 241.33,189.7 262.99,189.7 266.34,186.35 275.01,186.35 275.08,186.28 v1(275.08,185.88)
  BOTTOM w0.119: v1(186.95,178.86) UNK3K43.7
S3_ISP00-: length 125.3
  TOP w0.086: SITE3.74 263.98,187.63 264.06,187.55 269.41,187.55 270.39,186.57 274.62,186.57 v1(275.08,187.02)
  L30_SIGNAL w0.071: v1(189.99,178.86) 188.64,178.86 188.57,178.79 188.57,173.02 190.14,171.45 202.03,171.45 211.56,180.98 227.75,180.98 229.63,179.1 237.41,179.1 238.97,180.65 238.97,187.61 241.25,189.9 263.07,189.9 266.42,186.55 275.01,186.55 275.08,186.62 v1(275.08,187.02)
  BOTTOM w0.119: v1(189.99,178.86) UNK3K43.2
S3_ISP14+: length 193.8
  TOP w0.086: v1(251.93,209.9) 251.48,209.45 251.48,207.92 250.15,206.59 250.15,197.86 250.23,197.78 SITE3.112
  L32_SIGNAL w0.071: v1(251.93,209.9) 251.53,209.9 251.46,209.83 251.46,208.24 248.66,205.44 248.66,201.96 245.35,198.65 228.72,198.65 226.16,201.21 221.69,201.21 215.03,194.55 215.03,189.08 213.03,187.08 169.15,187.08 159.82,177.75 159.82,159.69 162.01,157.5 183.55,157.5 188.37,162.32 188.37,174.39 188.3,174.46 v1(184.47,174.46)
S3_ISP14-: length 194.4
  TOP w0.086: SITE3.113 249.83,197.78 249.91,197.86 249.91,206.69 251.24,208.02 251.24,209.45 v1(250.79,209.9)
  L32_SIGNAL w0.071: v1(192.47,174.46) 188.64,174.46 188.57,174.39 188.57,162.24 183.63,157.3 161.93,157.3 159.63,159.61 159.63,177.84 169.07,187.28 212.95,187.28 214.83,189.16 214.83,194.63 221.61,201.41 226.24,201.41 228.8,198.85 245.27,198.85 248.46,202.04 248.46,205.52 251.26,208.32 251.26,209.83 251.19,209.9 v1(250.79,209.9)
S3_ISP_1LOCK:
  vias: v1(229.91,185.39)
S3_M_DPS_F_001: length 45.2
  TOP w0.231: SITE3.147 233.7,187.63 233.24,187.18 ; SITE3.39 257.43,171.49 258.54,170.37 260.57,170.37 ; SITE3.104 253.43,203.21 ; 250.63,170.54 SITE3.22 ; 266.49,183.63 SITE3.64
  TOP w0.381: 253.43,203.21 254.61,204.39 v1(254.61,204.54)
  TOP w0.508: v1(271.22,182.64) 268.48,182.64 267.49,183.63 266.49,183.63 ; v1(250.17,165.75) 250.17,168.96 250.38,169.17 250.38,170.28 250.63,170.54 ; 260.57,170.37 263.63,167.31 v1(263.63,165.75) ; 233.24,187.18 232.72,186.66 v1(231.44,186.66)
  vias: v1(101.81,276.23) v1(101.81,274.32) v1(229.4,186.66) v1(250.17,163.71) v1(254.61,206.58) v1(263.63,163.71) v1(273.27,182.64)
S3_PS9G_DCH001: length 3.7
  TOP w0.231: SITE3.18 249.03,170.23 v1(249.63,169.63)
S3_PS9G_DCH002: length 2.2
  TOP w0.231: v1(249.63,171.03) 249.43,171.23 SITE3.19
S3_PS9G_DCH003: length 2.2
  TOP w0.231: SITE3.24 251.43,171.23 v1(251.23,171.03)
S3_PS9G_DCH004: length 2.2
  TOP w0.231: v1(257.63,175.23) 257.83,175.03 SITE3.40
S3_PS9G_DCH005: length 2.2
  TOP w0.231: v1(264.43,175.83) 264.23,176.03 SITE3.45
S3_PS9G_DCH006: length 3.7
  TOP w0.231: SITE3.46 265.23,176.43 v1(265.83,175.83)
S3_PS9G_DCH007: length 5.3
  TOP w0.231: SITE3.47 266.22,176.83 v1(267.23,175.83)
S3_PS9G_DCH009: length 2.2
  TOP w0.231: v1(264.43,177.43) 264.23,177.63 SITE3.49
S3_PS9G_DCH010: length 3.7
  TOP w0.231: v1(265.83,177.43) 265.23,178.03 SITE3.50
S3_PS9G_DCH011: length 5.3
  TOP w0.231: v1(267.23,177.43) 266.22,178.43 SITE3.51
S3_PS9G_DCH014: length 3.7
  TOP w0.231: v1(265.83,179.03) 265.23,179.63 SITE3.54
S3_PS9G_DCH015: length 5.3
  TOP w0.231: v1(267.23,179.03) 266.22,180.03 SITE3.55
S3_PS9G_DCH022: length 5.3
  TOP w0.231: v1(267.23,185.03) 267.05,185.03 266.05,184.03 SITE3.65
S3_PS9G_DCH023: length 2.5
  TOP w0.231: SITE3.66 264.03,184.43 264.43,184.83 v1(264.43,185.03)
S3_PS9G_DCH027: length 3.9
  TOP w0.231: v1(265.83,185.03) 264.83,186.03 SITE3.70
S3_PS9G_DCH028: length 2.3
  TOP w0.231: v1(260.23,188.46) 260.6,188.83 SITE3.77
S3_PS9G_DCH029: length 2.2
  TOP w0.119: SITE3.118 v1(247.83,193.92)
S3_PS9G_DCH030: length 9.2
  TOP w0.231: SITE3.148 237.62,187.23 237.3,186.91 234.16,186.91 232.63,185.39 v1(230.91,185.39)
S3_PS9G_DCH035: length 5.3
  TOP w0.231: v1(234.44,186.23) 235.44,185.23 SITE3.153
S3_PS9G_DCH036: length 2.2
  TOP w0.231: v1(241.43,185.03) 241.23,184.83 SITE3.154
S3_PS9G_DCH037: length 2.2
  TOP w0.231: v1(237.23,184.63) 237.43,184.43 SITE3.155
S3_PS9G_DCH038: length 3.7
  TOP w0.231: v1(235.83,184.63) 236.43,184.03 SITE3.156
S3_PS9G_DCH039: length 5.3
  TOP w0.231: v1(234.44,184.63) 235.44,183.63 SITE3.157
S3_PS9G_DCH040: length 2.2
  TOP w0.231: SITE3.158 241.23,183.23 v1(241.43,183.43)
S3_RLY_001:
  vias: v1(256.73,140.14) v1(282.9,155.38)
S3_RLY_003:
  vias: v1(167.7,182.06) v1(269.69,143.19)
S3_RLY_005:
  vias: v1(184.47,222.95) v1(201.23,222.95)
S3_RLY_007:
  vias: v1(184.47,209.49)
S3_RLY_008:
  vias: v1(167.7,209.49) v1(184.47,195.52)
S3_RLY_016:
  vias: v1(167.7,195.52) v1(201.23,209.49)
S3_RLY_018:
  vias: v1(232.25,216.97)
S3_RLY_021:
  vias: v1(167.7,168.6) v1(201.23,195.52)
S3_RLY_022:
  vias: v1(184.47,154.88) v1(201.49,155.13)
S3_RLY_023:
  vias: v1(167.7,141.67)
S3_RLY_025:
  vias: v1(201.49,182.06) v1(201.49,168.6)
S3_RLY_026:
  vias: v1(184.47,168.6)
S3_RLY_030:
  vias: v1(167.7,154.88)
S3_RLY_043:
  vias: v1(184.47,182.06)
S3_SCAN_DCH008: length 2.2
  TOP w0.231: v1(260.23,177.03) 260.43,177.23 SITE3.48
S3_SCAN_DCH012: length 2.2
  TOP w0.231: SITE3.52 260.43,178.83 v1(260.23,178.63)
S3_SCAN_DCH013: length 2.2
  TOP w0.231: SITE3.53 264.23,179.23 v1(264.43,179.03)
S3_SCAN_DCH016: length 2.2
  TOP w0.231: v1(260.23,180.23) 260.43,180.43 SITE3.56
S3_SCAN_DCH017: length 2.2
  TOP w0.231: v1(264.43,180.63) 264.23,180.83 SITE3.57
S3_SCAN_DCH018: length 3.7
  TOP w0.231: SITE3.58 265.23,181.23 v1(265.83,180.63)
S3_SCAN_DCH019: length 5.3
  TOP w0.231: v1(267.23,180.63) 266.22,181.63 SITE3.59
S3_SCAN_DCH020: length 2.2
  TOP w0.231: SITE3.60 260.43,182.03 v1(260.23,181.83)
S3_SCAN_DCH021: length 2.2
  TOP w0.231: v1(264.43,182.23) 264.23,182.43 SITE3.61
S3_SCAN_DCH024: length 2.2
  TOP w0.231: v1(260.23,184.63) 260.43,184.83 SITE3.67
S3_SCAN_DCH025: length 3.7
  TOP w0.231: SITE3.68 259.43,185.23 v1(258.83,184.63)
S3_SCAN_DCH026: length 5.3
  TOP w0.231: v1(257.44,184.63) 258.44,185.63 SITE3.69
S3_SCAN_DCH031: length 3.7
  TOP w0.231: v1(242.83,187.43) 242.23,186.83 SITE3.149
S3_SCAN_DCH032: length 5.3
  TOP w0.231: SITE3.150 243.22,186.43 v1(244.22,187.43)
S3_SCAN_DCH033: length 2.2
  TOP w0.231: v1(237.23,186.23) 237.43,186.03 SITE3.151
S3_SCAN_DCH034: length 3.7
  TOP w0.231: v1(235.83,186.23) 236.43,185.63 SITE3.152
S3_SPI_1_CSN:
  vias: v1(104.89,159.62)
S3_SPI_1_SCK:
  vias: v1(99.81,171.81)
S3_SPI_1_SDI:
  vias: v1(123.69,173.23)
S3_SPI_1_SDO:
  vias: v1(123.94,180.85)
S3_SPI_2_CSN:
  vias: v1(104.01,173.17)
S3_SPI_2_SCK:
  vias: v1(99.91,185.42)
S3_SPI_2_SDI:
  vias: v1(128.26,173.23)
S3_SPI_2_SDO:
  vias: v1(128.01,180.85)
S3_SPI_11_SDI:
  vias: v1(102.35,159.62) v1(122.69,173.23)
S3_SPI_11_SDO:
  vias: v1(97.27,171.81) v1(122.94,180.85)
S3_SPI_22_SDI:
  vias: v1(102.45,173.22) v1(127.26,173.23)
S3_SPI_22_SDO:
  vias: v1(97.37,185.42) v1(127.01,180.85)
S3_SPI_CSN: length 2.2
  TOP w0.231: SITE3.43 259.03,171.23 v1(259.23,171.03)
S3_SPI_SCK: length 2.2
  TOP w0.231: v1(258.83,175.23) 258.63,175.03 SITE3.42
S3_SPI_SDI: length 3.7
  TOP w0.231: SITE3.44 259.43,176.03 v1(258.83,176.63)
S3_SPI_SDO: length 3.7
  TOP w0.231: SITE3.41 258.23,176.03 v1(257.63,176.63)
S3_XTAL_IN: length 2.5
  TOP w0.119: v1(251.63,198.51) 251.43,198.31 SITE3.109
  vias: v1(226.85,211.67)
S3_XTAL_OUT: length 3.7
  TOP w0.231: SITE3.110 251.03,199.03 v1(251.63,199.63)
  vias: v1(226.85,216.97)
S4_1AUX+:
  vias: v1(301.73,169.11)
S4_1AUX-:
  vias: v1(298.45,169.11)
S4_1TX_100DCH001+: length 197.9
  L32_SIGNAL w0.071: v1(310.01,134.11) 310.01,135.47 309.93,135.54 304.75,135.54 302.23,133.01 302.23,126.46 305.99,122.7 318.84,122.7 320.2,124.06 337.42,124.06 338.71,125.35 344.21,125.35 346.42,123.14 386.78,123.14 387.86,122.06 393.43,122.06 397.71,126.34 420.96,126.34 427.94,133.32 427.94,166.69 421.5,173.14 421.5,174.36 421.43,174.43 v1(421.02,174.43)
  BOTTOM w0.119: v1(310.01,134.11) UNK4K43.6
S4_1TX_100DCH001-: length 198.8
  L32_SIGNAL w0.071: v1(310.01,137.16) 310.01,135.81 309.93,135.74 304.67,135.74 302.03,133.09 302.03,126.37 305.91,122.5 318.92,122.5 320.28,123.86 337.51,123.86 338.8,125.15 344.13,125.15 346.34,122.94 386.7,122.94 387.78,121.86 393.51,121.86 397.79,126.14 421.05,126.14 428.14,133.23 428.14,166.77 421.69,173.22 421.69,174.36 421.77,174.43 v1(422.17,174.43)
  BOTTOM w0.119: v1(310.01,137.16) UNK4K43.3
S4_1TX_100DCH002+: length 96.8
  TOP w0.086: v1(357.52,187.66) 357.07,188.11 344.06,188.11 343.98,188.03 SITE4.75
  L28_SIGNAL w0.071: v1(421.02,160.85) 421.43,160.85 421.5,160.92 421.5,162.5 420.64,163.36 420.64,170.74 410.5,180.87 365.65,180.87 358.39,188.13 357.59,188.13 357.52,188.06 v1(357.52,187.66)
S4_1TX_100DCH002-: length 97.2
  TOP w0.086: v1(357.52,188.8) 357.07,188.35 344.06,188.35 343.98,188.43 SITE4.76
  L28_SIGNAL w0.071: v1(357.52,188.8) 357.52,188.4 357.59,188.33 358.48,188.33 365.73,181.07 410.58,181.07 420.83,170.82 420.83,163.44 421.69,162.58 421.69,160.92 421.77,160.85 v1(422.17,160.85)
S4_1TX_100DCH003+: length 106.3
  TOP w0.086: v1(355.08,190.14) 354.62,190.59 349.94,190.59 349.05,189.71 344.06,189.71 343.98,189.63 SITE4.79
  L32_SIGNAL w0.071: v1(355.08,190.14) 355.08,190.54 355,190.61 354.57,190.61 354.38,190.43 354.38,189.68 355.03,189.03 355.88,189.03 357.31,190.47 359.61,190.47 361.1,188.98 361.1,159.99 365.83,155.26 373.46,155.26 375.06,156.86 390.54,156.86 393.45,153.95 405.86,153.95 408.54,156.63 408.54,157.6 408.47,157.67 v1(408.07,157.67)
S4_1TX_100DCH003-: length 107.3
  TOP w0.086: SITE4.80 343.98,190.03 344.06,189.95 348.95,189.95 349.84,190.83 354.62,190.83 v1(355.08,191.28)
  L32_SIGNAL w0.071: v1(355.08,191.28) 355.08,190.88 355,190.81 354.49,190.81 354.18,190.51 354.18,189.6 354.95,188.84 355.96,188.84 357.39,190.27 359.53,190.27 360.9,188.89 360.9,159.9 365.74,155.06 373.54,155.06 375.14,156.66 390.46,156.66 393.37,153.75 405.94,153.75 408.74,156.55 408.74,157.6 408.81,157.67 v1(409.21,157.67)
S4_1TX_100DCH004+: length 161.1
  TOP w0.086: SITE4.81 343.98,190.43 344.06,190.51 347.99,190.51 350.02,192.53 357.07,192.53 v1(357.52,192.08)
  L28_SIGNAL w0.071: v1(357.52,192.08) 357.52,192.48 357.59,192.55 359.89,192.55 360.43,193.09 365.53,193.09 366.4,193.96 368.49,193.96 369.29,193.16 376.95,193.16 383.34,199.55 424.03,199.55 430.98,192.6 430.98,157.52 423.32,149.86 412.63,149.86 408.54,145.77 408.54,144.15 408.47,144.08 v1(408.07,144.08)
S4_1TX_100DCH004-: length 161.4
  TOP w0.086: SITE4.82 343.98,190.83 344.06,190.75 347.89,190.75 349.92,192.77 357.07,192.77 v1(357.52,193.22)
  L28_SIGNAL w0.071: v1(357.52,193.22) 357.52,192.82 357.59,192.75 359.81,192.75 360.35,193.29 365.45,193.29 366.32,194.16 368.57,194.16 369.37,193.36 376.86,193.36 383.26,199.75 424.11,199.75 431.18,192.68 431.18,157.44 423.41,149.66 412.72,149.66 408.74,145.69 408.74,144.15 408.81,144.08 v1(409.21,144.08)
S4_1TX_100DCH005+: length 87.1
  TOP w0.086: SITE4.83 343.98,191.23 344.06,191.31 346.61,191.31 349.53,194.22 354.62,194.22 v1(355.08,193.77)
  L32_SIGNAL w0.071: v1(324.25,142.43) 324.65,142.43 324.72,142.36 324.72,141.23 325.23,140.73 327.96,140.73 330.33,143.1 330.33,145.94 339.47,155.08 339.47,164.92 348.77,174.23 348.77,192.55 350.47,194.24 355,194.24 355.08,194.17 v1(355.08,193.77)
S4_1TX_100DCH005-: length 86.8
  TOP w0.086: v1(355.08,194.92) 354.62,194.46 349.43,194.46 346.51,191.55 344.06,191.55 343.98,191.63 SITE4.84
  L32_SIGNAL w0.071: v1(355.08,194.92) 355.08,194.51 355,194.44 350.38,194.44 348.57,192.63 348.57,174.31 339.27,165 339.27,155.16 330.13,146.02 330.13,143.18 327.88,140.93 325.31,140.93 324.92,141.31 324.92,142.36 324.99,142.43 v1(325.39,142.43)
S4_1TX_100DCH006+: length 159.9
  TOP w0.086: v1(357.52,196.03) 357.07,196.49 350.12,196.49 345.74,192.11 344.06,192.11 343.98,192.03 SITE4.85
  L28_SIGNAL w0.071: v1(324.25,128.84) 324.65,128.84 324.72,128.77 324.72,127.65 323.67,126.6 319.88,126.6 314.5,131.98 314.5,147.89 296.84,165.55 296.84,180.23 297.64,181.03 302.25,181.03 303.25,182.03 303.25,184.49 309.53,190.77 313.57,190.77 323.27,200.47 332.78,200.47 334.57,198.68 350.17,198.68 351.91,196.95 356.45,196.95 356.89,196.51 357.45,196.51 357.52,196.44 v1(357.52,196.03)
S4_1TX_100DCH006-: length 160.9
  TOP w0.086: SITE4.86 343.98,192.43 344.06,192.35 345.64,192.35 350.02,196.73 357.07,196.73 v1(357.52,197.18)
  L28_SIGNAL w0.071: v1(325.39,128.84) 324.99,128.84 324.92,128.77 324.92,127.57 323.75,126.4 319.79,126.4 314.3,131.89 314.3,147.81 296.64,165.46 296.64,180.31 297.56,181.23 302.17,181.23 303.05,182.11 303.05,184.58 309.44,190.97 313.48,190.97 323.19,200.67 332.87,200.67 334.65,198.88 350.25,198.88 351.99,197.14 356.53,197.14 356.97,196.7 357.45,196.7 357.52,196.78 v1(357.52,197.18)
S4_1TX_100DCH007+: length 93.3
  TOP w0.086: v1(355.08,198.17) 354.62,198.62 350.67,198.62 344.96,192.91 344.06,192.91 343.98,192.83 SITE4.87
  L32_SIGNAL w0.071: v1(355.08,198.17) 355.08,198.57 355.15,198.64 363.14,198.64 364.38,199.89 374.28,199.89 375.26,198.9 401.41,198.9 407.54,205.03 407.54,221.9 408.09,222.45 409.37,222.45 409.81,222 409.81,220.48 409.74,220.41 v1(409.34,220.41)
S4_1TX_100DCH007-: length 93.6
  TOP w0.086: SITE4.88 343.98,193.23 344.06,193.15 344.86,193.15 350.57,198.86 354.62,198.86 v1(355.08,199.31)
  L32_SIGNAL w0.071: v1(410.48,220.41) 410.08,220.41 410.01,220.48 410.01,222.09 409.45,222.64 408.01,222.64 407.34,221.98 407.34,205.11 401.33,199.1 375.34,199.1 374.36,200.09 364.3,200.09 363.06,198.84 355.15,198.84 355.08,198.91 v1(355.08,199.31)
S4_2AUX+:
  vias: v1(300.22,132.08) v1(300.22,130.81) v1(300.73,169.11) v1(300.73,167.84)
S4_2AUX-:
  vias: v1(296.68,130.81) v1(297.68,132.08) v1(299.45,169.11) v1(299.45,167.84)
S4_2TX_100DCH001+: length 88.5
  TOP w0.086: v1(346.32,208.6) 345.87,208.15 345.87,205.63 345.31,205.07 345.31,202.18 343.95,200.83 341.74,200.83 339.35,198.44 339.35,197.86 339.43,197.78 SITE4.89
  L30_SIGNAL w0.071: v1(409.34,206.82) 409.74,206.82 409.81,206.89 409.81,208.47 408.59,209.69 407.05,209.69 404.95,207.6 365.85,207.6 361.62,211.82 347.52,211.82 345.85,210.15 345.85,208.68 345.92,208.6 v1(346.32,208.6)
S4_2TX_100DCH001-: length 89.2
  TOP w0.086: v1(345.18,208.6) 345.63,208.15 345.63,205.73 345.07,205.17 345.07,202.28 343.85,201.07 341.64,201.07 339.11,198.54 339.11,197.86 339.03,197.78 SITE4.90
  L30_SIGNAL w0.071: v1(410.48,206.82) 410.08,206.82 410.01,206.89 410.01,208.55 408.67,209.89 406.96,209.89 404.87,207.8 365.93,207.8 361.7,212.02 347.44,212.02 345.65,210.24 345.65,208.68 345.58,208.6 v1(345.18,208.6)
S4_2TX_100DCH002+: length 168.3
  TOP w0.086: SITE4.91 338.63,197.78 338.55,197.86 338.55,199 341.27,201.72 343.16,201.72 344.22,202.77 344.22,205.88 v1(344.67,206.34)
  L32_SIGNAL w0.071: v1(394.35,157.67) 394.76,157.67 394.83,157.74 394.83,158.74 395.63,159.54 396.78,159.54 397.38,160.14 397.38,171.35 412.77,186.74 412.77,221.27 410.56,223.48 407.67,223.48 406.47,222.28 406.47,216.45 403.2,213.19 363.71,213.19 362.3,211.78 346.44,211.78 344.2,209.53 344.2,206.41 344.27,206.34 v1(344.67,206.34)
S4_2TX_100DCH002-: length 169
  TOP w0.086: v1(343.52,206.34) 343.98,205.88 343.98,202.87 343.07,201.96 341.17,201.96 338.31,199.1 338.31,197.86 338.23,197.78 SITE4.92
  L32_SIGNAL w0.071: v1(395.5,157.67) 395.1,157.67 395.02,157.74 395.02,158.66 395.71,159.34 396.86,159.34 397.58,160.06 397.58,171.27 412.97,186.66 412.97,221.35 410.64,223.68 407.58,223.68 406.27,222.36 406.27,216.54 403.12,213.39 363.63,213.39 362.22,211.98 346.36,211.98 344,209.62 344,206.41 343.93,206.34 v1(343.52,206.34)
S4_2TX_100DCH003+: length 191.7
  TOP w0.086: v1(343.07,208.6) 342.61,208.15 342.61,204.3 337.75,199.44 337.75,197.86 337.83,197.78 SITE4.93
  L30_SIGNAL w0.071: v1(343.07,208.6) 342.66,208.6 342.59,208.53 342.59,206.02 343.5,205.12 344.74,205.12 345.92,206.29 345.92,206.98 348.89,209.95 354.31,209.95 358.77,205.49 358.77,203.97 361.87,200.87 364.15,200.87 375.34,189.67 411.4,189.67 426.02,175.05 426.02,141.23 422.04,137.25 397.47,137.25 394.83,139.89 394.83,144.01 394.76,144.08 v1(394.35,144.08)
